# Altium PCB clock_core_PCB.PcbDoc (part 2 of 3)
Units mm, origin at the board's own origin, x right, y up, seen from the top; angles counter-clockwise.
Board outline 163.83 x 199.04 mm, 2 copper layers (Top Layer, Bottom Layer), stack 1.571 mm thick; 144 components, 217 nets, 791 pads, 447 vias.
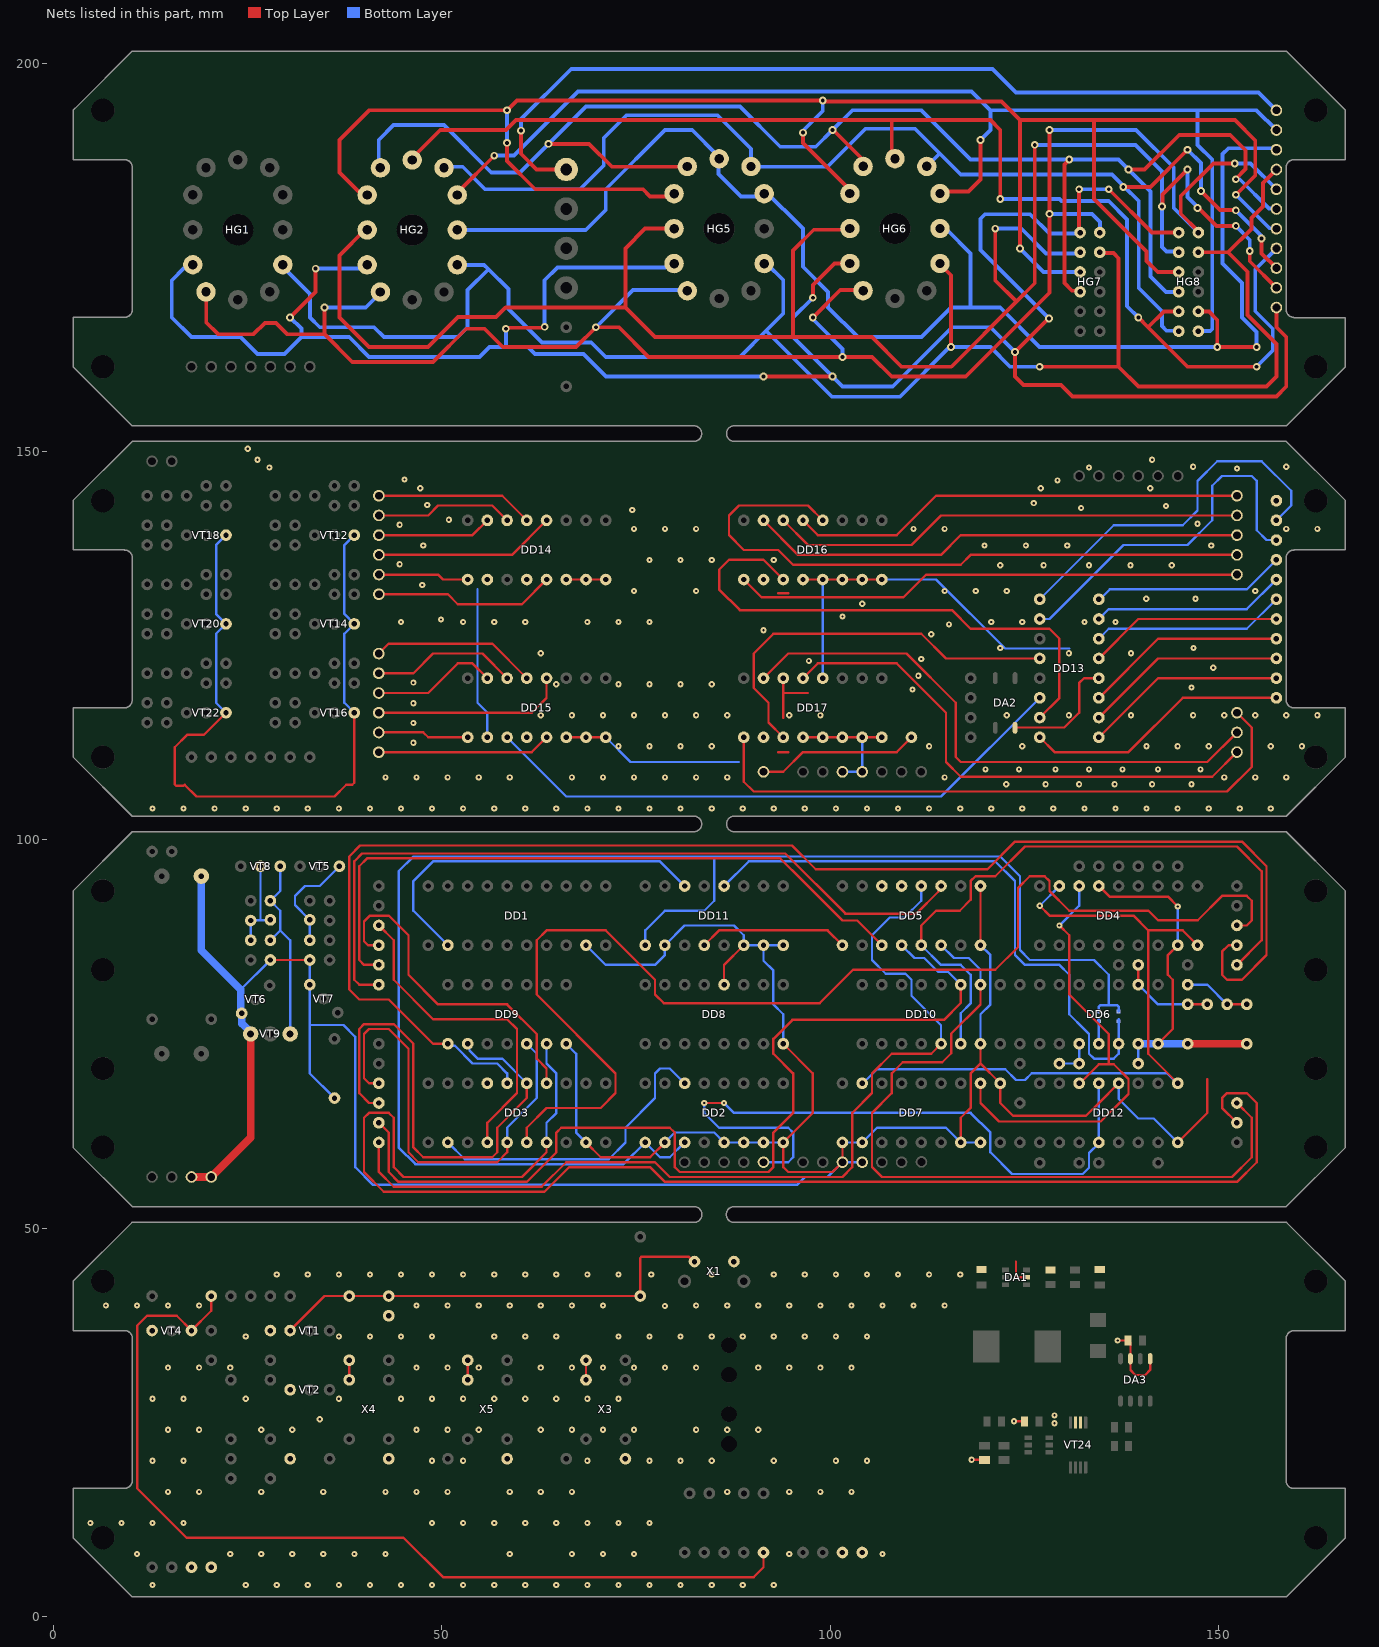
[diagram p2: the nets of this part, all layers, seen from the top]

## Via types
v1: diameter 0.8, hole 0.3, Top Layer to Bottom Layer, tented both sides, 384 vias
v2: diameter 1, hole 0.5, Top Layer to Bottom Layer, tented both sides, 63 vias

## Nets (pads, with @x,y where several pads share a name; then routed paths per layer and width w, separated by ;. In a path a pad name is that pad's centre, name@x,y a point inside that pad or via, vN(x,y) a via of type N, cw(c..) or ccw(c..) an arc to the next point about the centre after c; other vN are vias at no path point) (continued)
BIT1: DD13.6 DD15.3 | length 77
  Bottom Layer w0.3: DD15.3@58.42,113.22 66.04,105.6 114.3,105.6 DD13.6@127,118.3
BIT2: DD13.7 DD16.3 | length 70
  Top Layer w0.3: DD16.3@93.98,133.54 91.44,136.08 86.995,136.08 85.725,134.81 85.725,132.27 88.392,129.603 115.697,129.603 118.11,127.19 128.27,127.19 129.54,125.92 129.54,118.3 DD13.7@127,115.76
BIT3: DD13.4 DD17.3 | length 51.6
  Top Layer w0.3: DD17.3@93.98,113.22 92.075,115.125 92.075,117.665 90.17,119.57 90.17,124.015 92.71,126.555 111.76,126.555 114.935,123.38 DD13.4@127,123.38
CLK_SEL: DD2.1 DD2.3 DD11.1 JP1.2 JP2.2 | length 205.9
  Bottom Layer w0.3: DD11.1@76.2,86.455 76.2,88.36 78.74,90.9 83.82,90.9 85.09,92.17 85.09,97.885 ; DD2.3@81.28,61.055 79.375,59.15 78.105,59.15 DD2.1@76.2,61.055 73.406,58.261 46.609,58.261 44.45,60.42 44.45,95.98 46.355,97.885 85.09,97.885 ; JP2.2@134.62,78.105 134.62,78.564 134.796,78.74 135.89,78.74 ; JP1.2@137.16,77.93 137.16,78.564 136.984,78.74 135.89,78.74 ; 85.09,97.885 121.92,97.885 124.46,95.345 124.46,85.82 125.73,84.55 133.985,84.55 135.89,82.645 135.89,78.74
Clock_hor: DD5.1 DD11.4 | length 19.4
  Top Layer w0.3: DD11.4@83.82,86.455 85.725,88.36 99.695,88.36 DD5.1@101.6,86.455
Clock_min: DD2.14 DD3.1 | length 40
  Bottom Layer w0.3: DD3.1@50.8,61.055 52.959,58.896 71.501,58.896 73.66,61.055 73.66,62.96 77.47,66.77 77.47,69.945 78.105,70.58 79.375,70.58 DD2.14@81.28,68.675
Clock_sec: DD1.1 DD11.14 | length 47.4
  Bottom Layer w0.3: DD1.1@50.8,86.455 46.355,90.9 46.355,94.71 48.895,97.25 78.105,97.25 DD11.14@81.28,94.075
DECCNT_RES: DD4.15 DD7.15 DD12.9 R15.1 | length 90.2
  Top Layer w0.3: v1(127,91.535) 128.27,90.265 139.065,90.265 140.97,88.36 ; DD12.9@144.78,68.675 140.97,72.485 140.97,88.36 ; R15.1@147.32,86.455 145.415,88.36 140.97,88.36
  Bottom Layer w0.3: DD7.15@104.14,68.675 104.235,68.675 106.045,70.485 122.555,70.485 123.952,69.088 125.095,69.088 125.984,69.977 143.383,69.977 144.685,68.675 DD12.9@144.78,68.675 ; v1(127,91.535) DD4.15@129.54,94.075
GATE: C13.2 R27.2 VT8.1 VT9.1 | length 25
  Bottom Layer w0.3: R27.2@27.94,87.09 29.21,88.36 ; VT8.1@29.21,96.615 29.21,93.44 C13.2@27.94,92.17 29.21,90.9 29.21,88.36 ; VT9.1@30.48,75.025 30.48,87.09 29.21,88.36
GND: C8.2 C9.1 C14.2 DD1.8 DD2.2 DD2.5 DD2.6 DD2.7 DD2.8 DD3.8 DD4.8 DD4.13 DD5.8 DD5.9 DD6.6 DD6.7 DD7.1 DD7.2 DD7.7 DD7.8 DD8.8 DD8.12 DD9.7 DD10.7 DD11.2 DD11.6 DD11.7 DD11.8 DD12.8 DD12.12 pad.@17.78,56.61 pad.@20.32,56.61 pad.@101.6,58.515 pad.@104.14,58.515 R13.1 R16.1 R18.1 R24.1 R27.1 VT6.1 VT7.1 VT9.3 | length 436
  Top Layer w0.3: R27.1@27.94,84.55 R18.1@33.02,84.55 ; DD3.8@68.58,61.055 70.485,59.15 76.835,59.15 DD2.2@78.74,61.055 ; DD8.12@86.36,81.375 86.36,83.915 DD11.6@88.9,86.455 ; DD8.8@93.98,73.755 97.79,69.945 97.79,64.865 DD2.8@93.98,61.055 93.98,57.88 94.615,57.245 100.33,57.245 pad.@101.6,58.515 DD7.1@101.6,61.055 ; DD7.7@116.84,61.055 116.84,64.23 118.11,65.5 118.11,69.945 119.38,71.215 ; DD10.7@119.38,73.755 119.38,71.215 ; DD5.8@119.38,86.455 DD5.9@119.38,94.075 ; DD4.13@134.62,94.075 135.985,92.71 143.51,92.71 v1(144.78,91.44) ; DD12.12@137.16,68.675 134.62,66.135 132.969,64.484 123.571,64.484 121.92,66.135 R16.1@121.92,68.675 119.38,71.215 ; DD6.7@142.24,73.755 144.145,75.66 144.145,82.01 143.51,82.645 143.51,85.185 DD4.8@144.78,86.455 ; DD12.8@144.78,61.055 148.59,64.865 148.59,69.215
  Top Layer w1: pad.@17.78,56.61 pad.@20.32,56.61 25.4,61.69 VT9.3@25.4,75.025 ; C8.2@146.05,73.755 C9.1@153.67,73.755
  Bottom Layer w0.3: VT6.1@24.13,77.783 VT6.1@24.239,77.674 ; 24.13,80.74 R27.1@27.94,84.55 ; VT9.3@25.4,75.025 VT9.3@25.4,75.222 ; R18.1@33.02,84.55 VT7.1@33.02,81.375 33.02,76.168 ; R24.1@36.195,66.77 33.02,69.945 33.02,76.168 ; DD9.7@66.04,73.755 67.31,72.485 67.31,62.325 DD3.8@68.58,61.055 ; DD1.8@68.58,86.455 71.12,83.915 77.47,83.915 78.74,85.185 DD11.2@78.74,86.455 81.28,88.995 87.63,88.995 88.9,87.725 DD11.6@88.9,86.455 DD11.7@91.44,86.455 ; DD2.2@78.74,61.055 80.01,62.325 85.09,62.325 DD2.5@86.36,61.055 DD2.6@88.9,61.055 DD2.7@91.44,61.055 DD2.8@93.98,61.055 ; DD8.8@93.98,73.755 93.98,77.565 92.71,78.835 92.71,83.185 91.44,84.455 DD11.7@91.44,86.455 ; DD11.8@93.98,86.455 DD11.7@91.44,86.455 ; DD7.1@101.6,61.055 DD7.2@104.14,61.055 106.045,62.96 114.935,62.96 DD7.7@116.84,61.055 DD7.8@119.38,61.055 ; pad.@104.14,58.515 pad.@101.6,58.515 99.695,56.61 96.774,56.61 95.758,55.594 41.148,55.594 38.862,57.88 38.862,74.644 37.338,76.168 33.02,76.168 ; DD10.7@119.38,73.755 119.38,77.565 120.65,78.835 120.65,85.185 DD5.8@119.38,86.455 ; DD12.12@137.16,68.675 137.16,66.675 139.7,64.135 141.7,64.135 DD12.8@144.78,61.055 ; R13.1@139.7,71.215 DD6.6@139.7,73.755 ; DD4.8@144.78,86.455 v1(144.78,91.44)
  Bottom Layer w1: C14.2@19.05,95.345 19.05,85.82 24.13,80.74 VT6.1@24.13,77.783 ; VT6.1@24.239,77.674 24.239,76.383 VT9.3@25.4,75.222 ; DD6.6@139.7,73.755 DD6.7@142.24,73.755 C8.2@146.05,73.755
GND_C: C1.1 C3.2 C4.1 C17.1 DA1.2 DA3.1 DA3.3 pad.@17.78,6.35 pad.@20.32,6.35 pad.@101.6,8.255 pad.@104.14,8.255 R1.1 R5.1 R7.1 R9.1 R10.1 R11.1 R62.1 R63.1 VT2.1 VT4.1 VT24.S2 X1.1 | length 16.1
  Top Layer w0.3: v1(118.237,20.193) 119.852,20.193 C17.1@119.888,20.157 ; v1(123.698,25.146) R63.1@125.059,25.146 ; 123.952,45.72 123.952,43.942 124.206,43.688 DA1.2@125.302,43.688 ; v1(137.033,35.56) R62.1@138.394,35.56 138.684,35.27 DA3.3@138.684,33.205 138.684,31.75 139.319,31.115 140.589,31.115 141.224,31.75 DA3.1@141.224,33.205
  other v1: 12.76,4.06 24.76,4.06 28.76,4.06 32.76,4.06 36.76,4.06 40.76,4.06 44.76,4.06 48.76,4.06 52.76,4.06 56.76,4.06 60.76,4.06 64.76,4.06 68.76,4.06 72.76,4.06 76.76,4.06 80.76,4.06 84.76,4.06 88.76,4.06 92.76,4.06 10.76,8.06 22.76,8.06 26.76,8.06 30.76,8.06 34.76,8.06 38.76,8.06 42.76,8.06 58.76,8.06 66.76,8.06 70.76,8.06 74.76,8.06 94.76,8.06 106.76,8.06 4.76,12.06 8.76,12.06 12.76,12.06 16.76,12.06 48.76,12.06 52.76,12.06 56.76,12.06 60.76,12.06 64.76,12.06 68.76,12.06 72.76,12.06 76.76,12.06 14.76,16.06 18.76,16.06 26.76,16.06 34.76,16.06 42.76,16.06 46.76,16.06 50.76,16.06 58.76,16.06 62.76,16.06 66.76,16.06 86.76,16.06 94.76,16.06 98.76,16.06 102.76,16.06 12.76,20.06 16.76,20.06 48.76,20.06 52.76,20.06 68.76,20.06 76.76,20.06 80.76,20.06 84.76,20.06 92.76,20.06 100.76,20.06 104.76,20.06 14.76,24.06 18.76,24.06 26.76,24.06 30.76,24.06 46.76,24.06 50.76,24.06 54.76,24.06 62.76,24.06 66.76,24.06 70.76,24.06 74.76,24.06 82.76,24.06 86.76,24.06 90.76,24.06 128.905,24.892 34.29,25.4 128.905,25.908 12.76,28.06 16.76,28.06 24.76,28.06 36.76,28.06 44.76,28.06 48.76,28.06 52.76,28.06 56.76,28.06 60.76,28.06 64.76,28.06 68.76,28.06 72.76,28.06 14.76,32.06 18.76,32.06 22.76,32.06 46.76,32.06 50.76,32.06 54.76,32.06 62.76,32.06 66.76,32.06 70.76,32.06 74.76,32.06 78.76,32.06 82.76,32.06 90.76,32.06 94.76,32.06 98.76,32.06 102.76,32.06 24.76,36.06 36.76,36.06 40.76,36.06 44.76,36.06 48.76,36.06 56.76,36.06 60.76,36.06 64.76,36.06 72.76,36.06 76.76,36.06 80.76,36.06 84.76,36.06 88.76,36.06 92.76,36.06 96.76,36.06 100.76,36.06 104.76,36.06 78.74,40.005 6.76,40.06 10.76,40.06 14.76,40.06 18.76,40.06 46.76,40.06 50.76,40.06 54.76,40.06 58.76,40.06 62.76,40.06 66.76,40.06 70.76,40.06 82.76,40.06 86.76,40.06 90.76,40.06 94.76,40.06 98.76,40.06 102.76,40.06 106.76,40.06 110.76,40.06 114.76,40.06 28.76,44.06 32.76,44.06 36.76,44.06 40.76,44.06 44.76,44.06 48.76,44.06 52.76,44.06 56.76,44.06 60.76,44.06 64.76,44.06 68.76,44.06 72.76,44.06 76.99,44.06 84.76,44.06 92.76,44.06 96.76,44.06 100.76,44.06 104.76,44.06 108.76,44.06 112.76,44.06 116.76,44.06
GND_M: DA2.2 DD13.12 DD14.2 DD14.4 DD14.6 DD14.7 DD14.8 DD15.2 DD15.4 DD15.6 DD15.7 DD15.8 DD16.2 DD16.4 DD16.5 DD16.6 DD16.7 DD16.8 DD17.2 DD17.4 DD17.5 DD17.6 DD17.7 DD17.8 DD17.12 DD17.14 pad.@101.6,108.775 pad.@104.14,108.775 pad.@157.48,143.7 VT12.1 VT14.1 VT16.1 VT18.1 VT20.1 VT22.1 | length 239.1
  Top Layer w0.3: 16.76,106.98 15.797,106.98 15.621,107.156 15.621,111.95 17.208,113.538 19.367,113.538 VT22.1@22.225,116.395 ; 16.897,107.117 18.415,105.6 36.195,105.6 37.719,107.124 38.481,107.124 38.735,107.378 VT16.1@38.735,116.395 ; DD15.6@66.04,113.22 DD15.7@68.58,113.22 DD15.8@71.12,113.22 ; DD14.6@66.04,133.54 DD14.7@68.58,133.54 DD14.8@71.12,133.54 ; 93.345,111.315 94.615,111.315 ; 93.345,131.794 94.615,131.794 ; 93.98,115.76 93.98,118.935 ; DD17.14@93.98,120.84 93.98,118.935 ; DD17.4@96.52,113.22 DD17.5@99.06,113.22 DD17.6@101.6,113.22 DD17.7@104.14,113.22 DD17.8@106.68,113.22 ; DD16.4@96.52,133.54 DD16.5@99.06,133.54 DD16.6@101.6,133.54 DD16.7@104.14,133.54 DD16.8@106.68,133.54 ; 97.155,118.935 93.98,118.935 ; DA2.2@123.825,114.49 130.175,114.49 132.08,116.395 132.08,120.205 132.715,120.84 DD13.12@134.62,120.84
  Bottom Layer w0.3: VT22.1@22.225,116.395 20.955,117.665 20.955,126.555 VT20.1@22.225,127.825 20.955,129.095 20.955,137.985 VT18.1@22.225,139.255 ; VT16.1@38.735,116.395 37.465,117.665 37.465,126.555 VT14.1@38.735,127.825 37.465,129.095 37.465,137.985 VT12.1@38.735,139.255 ; 54.61,132.27 54.61,117.665 55.88,116.395 DD15.2@55.88,113.22 ; DD15.8@71.12,113.22 74.295,110.045 88.265,110.045 ; DD17.12@99.06,120.84 DD16.5@99.06,133.54 ; pad.@101.6,108.775 pad.@104.14,108.775 DD17.7@104.14,113.22 ; DD16.8@106.68,133.54 113.665,133.54 122.555,124.65 130.81,124.65
  other v1: 12.76,104.06 16.76,104.06 20.76,104.06 24.76,104.06 28.76,104.06 32.76,104.06 36.76,104.06 40.76,104.06 44.76,104.06 48.76,104.06 52.76,104.06 56.76,104.06 60.76,104.06 64.76,104.06 68.76,104.06 72.76,104.06 76.76,104.06 80.76,104.06 84.76,104.06 88.76,104.06 92.76,104.06 96.76,104.06 100.76,104.06 104.76,104.06 108.76,104.06 112.76,104.06 116.76,104.06 120.76,104.06 124.76,104.06 128.76,104.06 132.76,104.06 136.76,104.06 140.76,104.06 144.76,104.06 148.76,104.06 152.76,104.06 156.76,104.06 122.682,107.188 127.762,107.188 132.08,107.188 136.652,107.188 141.478,107.188 146.558,107.188 42.76,108.06 46.76,108.06 50.76,108.06 54.76,108.06 58.76,108.06 66.76,108.06 70.76,108.06 74.76,108.06 78.76,108.06 82.76,108.06 86.76,108.06 114.76,108.06 150.76,108.06 154.76,108.06 158.76,108.06 120.015,109.093 124.333,109.093 129.032,109.093 133.35,109.093 137.668,109.093 142.24,109.093 147.701,109.093 72.76,112.06 76.76,112.06 80.76,112.06 84.76,112.06 112.76,112.06 124.76,112.06 140.76,112.06 144.76,112.06 148.76,112.06 156.76,112.06 160.76,112.06 46.355,112.522 46.355,115.062 62.76,116.06 66.76,116.06 70.76,116.06 74.76,116.06 78.76,116.06 82.76,116.06 86.76,116.06 94.76,116.06 98.76,116.06 122.76,116.06 130.76,116.06 138.76,116.06 146.76,116.06 150.76,116.06 154.76,116.06 158.76,116.06 162.76,116.06 46.355,117.602 110.617,119.38 146.558,119.634 64.76,120.06 72.76,120.06 76.76,120.06 80.76,120.06 84.76,120.06 46.355,120.269 111.379,121.158 149.352,122.174 97.282,123.063 111.76,123.317 62.76,124.06 130.76,124.06 138.76,124.06 121.92,124.714 146.812,124.714 113.03,126.492 91.44,127 115.316,127.762 44.76,128.06 52.76,128.06 56.76,128.06 60.76,128.06 68.76,128.06 72.76,128.06 76.76,128.06 120.76,128.06 124.76,128.06 132.76,128.06 136.76,128.06 49.911,128.397 101.6,128.778 104.14,130.429 140.716,131.064 147.066,131.064 74.76,132.06 82.76,132.06 114.76,132.06 118.76,132.06 122.76,132.06 154.76,132.06 47.498,132.842 121.92,135.382 127.508,135.382 133.35,135.382 138.684,135.382 144.018,135.382 44.577,135.509 76.76,136.06 80.76,136.06 84.76,136.06 92.76,136.06 47.625,137.922 119.888,137.922 125.222,137.922 130.556,137.922 149.098,137.922 74.76,140.06 78.76,140.06 82.76,140.06 110.76,140.06 114.76,140.06 158.76,140.06 162.76,140.06 44.577,140.589 147.32,140.716 50.927,141.224 74.549,142.494 132.334,142.748 143.256,143.002 48.133,143.129 126.238,143.383 47.244,145.288 127.127,145.288 141.224,145.288 129.286,146.304 45.212,146.431 152.4,147.828 27.813,147.955 133.35,147.955 146.76,148.06 158.76,148.06 26.289,148.971 141.478,148.971 25.019,150.368
GND_P: HG4.2 pad.@157.48,193.96 | length 113.3
  Top Layer w0.5: v2(60.198,191.342) 60.198,188.372 62.23,186.34 HG4.2@66.04,186.34
  Bottom Layer w0.5: v2(60.198,191.342) 60.198,192.817 66.675,199.294 120.904,199.294 123.952,196.246 155.194,196.246 pad.@157.48,193.96
H1_Q1: DD5.3 pad.@41.91,83.915 | length 87.2
  Top Layer w0.3: pad.@41.91,83.915 40.005,83.915 39.37,84.55 39.37,96.615 40.386,97.631 93.599,97.631 96.52,94.71 101.6,89.63 103.505,89.63 DD5.3@106.68,86.455
H1_Q2: DD5.4 DD10.9 pad.@41.91,63.595 | length 123.3
  Top Layer w0.3: pad.@41.91,63.595 43.18,62.325 43.18,57.245 44.45,55.975 60.96,55.975 64.77,59.785 64.77,62.325 65.405,62.96 79.375,62.96 80.01,62.325 80.01,57.88 80.645,57.245 92.075,57.245 92.71,57.88 92.71,62.325 95.25,64.865 95.25,69.945 92.71,72.485 92.71,74.39 95.155,76.835 114.664,76.835 116.84,79.011 DD10.9@116.84,81.375
  Bottom Layer w0.3: DD5.4@109.22,86.455 110.871,84.804 112.141,84.804 113.919,83.026 115.189,83.026 DD10.9@116.84,81.375
H1_Q3: DD5.5 DD10.6 pad.@152.4,83.915 | length 84
  Top Layer w0.3: DD5.5@111.76,86.455 111.76,88.995 113.665,90.9 116.713,90.9 118.11,92.297 118.11,94.71 118.745,95.345 121.285,95.345 125.095,99.155 152.4,99.155 155.575,95.98 155.575,87.09 pad.@152.4,83.915
  Bottom Layer w0.3: DD5.5@111.76,86.455 114.3,83.915 116.84,83.915 118.11,82.645 118.11,78.962 116.84,77.692 DD10.6@116.84,73.755
H1_Q4: DD5.6 DD10.8 pad.@152.4,66.135 | length 98.8
  Top Layer w0.3: DD10.8@119.38,81.375 119.38,78.835 115.625,75.08 115.625,72.54 114.459,71.374 109.379,71.374 107.95,69.945 107.95,67.405 105.41,64.865 105.41,57.88 106.68,56.61 112.395,56.61 151.765,56.61 154.305,59.15 154.305,64.23 pad.@152.4,66.135
  Bottom Layer w0.3: DD5.6@114.3,86.455 115.951,84.804 117.856,84.804 119.38,83.28 DD10.8@119.38,81.375
H10_Q1: DD5.11 pad.@41.91,81.375 | length 99.6
  Top Layer w0.3: pad.@41.91,81.375 39.37,81.375 38.735,82.01 38.735,97.25 39.751,98.266 94.234,98.266 101.981,90.519 111.125,90.519 113.942,93.336 113.942,93.392 114.3,93.75 DD5.11@114.3,94.075
H10_Q2: DD5.12 DD10.5 pad.@41.91,61.055 | length 120.7
  Top Layer w0.3: pad.@41.91,60.722 41.91,57.245 43.815,55.34 62.865,55.34 66.04,58.515 77.47,58.515 79.375,56.61 101.6,56.61 102.87,57.88 102.87,64.865 105.41,67.405 105.41,69.945 107.95,72.485 113.03,72.485 DD10.5@114.3,73.755
  Bottom Layer w0.3: DD5.12@111.76,94.075 111.76,92.17 109.601,90.011 107.696,90.011 105.41,87.725 105.41,84.55 107.188,82.772 109.728,82.772 110.49,82.01 110.49,79.953 114.3,76.143 DD10.5@114.3,73.755
H10_Q3: DD5.13
H10_Q4: DD5.14
Hz_1: DD6.5 DD11.12 JP1.1 | length 77.4
  Bottom Layer w0.3: DD11.12@86.36,94.075 89.535,97.25 121.285,97.25 123.825,94.71 123.825,85.185 125.095,83.915 129.54,83.915 130.81,82.645 130.81,77.565 132.715,75.66 133.35,75.025 133.35,72.485 133.985,71.85 136.525,71.85 137.16,72.485 DD6.5@137.16,73.755 137.16,76.93
Hz_2: DD6.4 JP2.1 | length 3.2
  Bottom Layer w0.3: DD6.4@134.62,73.755 134.62,76.93
K0: HG1.2 HG2.2 HG5.2 HG6.2 HG7.2 HG8.2 pad.@157.48,186.34 | length 234.7
  Top Layer w0.5: HG6.2@114.163,174.237 114.163,174.127 115.57,172.72 v2(115.57,163.48) ; v2(127,160.94) 137.16,160.94 ; HG7.2@134.74,175.68 134.84,175.58 136.49,175.58 137.16,174.91 137.16,160.94 ; HG8.2@147.44,175.68 151.265,175.68 154.26,178.675 154.26,180.08 155.76,181.58 155.76,184.62 pad.@157.48,186.34 ; 151.249,175.68 153.76,173.169 153.76,167.58 157.48,163.86 157.48,159.67 156.21,158.4 139.7,158.4 137.16,160.94
  Bottom Layer w0.5: HG1.2@29.76,173.58 33.02,170.32 33.02,167.29 34.29,166.02 41.275,166.02 42.545,164.75 52.07,164.75 53.34,166.02 53.34,170.815 56.022,173.497 ; HG2.2@52.005,174.06 55.46,174.06 56.022,173.497 ; HG5.2@91.525,174.22 91.845,174.22 93.98,172.085 93.98,167.8 91.76,165.58 ; v2(127,160.94) 123.19,160.94 120.65,163.48 v2(115.57,163.48) 115.389,163.48 108.989,157.08 100.26,157.08 91.76,165.58 ; 56.022,173.497 58.592,170.928 58.592,168.388 62.9,164.08 69.25,164.08 71.12,162.21 88.39,162.21 91.76,165.58
K0_M: DD13.16 pad.@157.48,136.08 | length 25
  Bottom Layer w0.3: DD13.16@134.62,131 134.761,131 136.031,132.27 153.67,132.27 pad.@157.48,136.08
K1: HG1.11 HG2.11 HG5.11 HG6.11 HG7.3 HG8.3 pad.@157.48,183.8 | length 242.9
  Top Layer w0.5: HG1.11@19.685,170.54 19.685,166.655 21.209,165.131 25.781,165.131 27.23,166.58 28.65,166.58 30.099,165.131 34.925,165.131 ; v2(34.925,168.56) 34.925,165.131 ; v2(97.79,167.29) 101.315,170.815 HG6.11@104.463,170.815 ; v2(128.27,191.42) v2(128.27,180.625) 128.27,170.465 117.475,159.67 107.95,159.67 105.41,162.21 v2(101.6,162.21) 76.63,162.21 72.82,166.02 v2(69.85,166.02) 67.31,163.48 57.86,163.48 55.506,165.834 53.154,165.834 48.895,161.575 38.481,161.575 34.925,165.131 ; HG8.3@147.44,178.22 147.44,178.362 145.161,180.641 145.161,182.911 149.375,187.125 v2(152.117,187.125)
  Bottom Layer w0.5: v2(34.925,168.56) 40.22,168.56 41.22,169.56 ; v2(69.85,166.02) 74.645,170.815 HG5.11@81.195,170.815 ; v2(97.79,167.29) 97.79,167.05 101.6,163.24 v2(101.6,162.21) ; v2(128.27,180.625) 133.715,180.625 134.76,179.58 134.76,178.24 HG7.3@134.74,178.22 ; v2(128.27,191.42) 139.42,191.42 144.26,186.58 144.26,181.4 HG8.3@147.44,178.22 ; v2(152.117,187.125) 154.155,187.125 pad.@157.48,183.8
K1_M: DD13.15 pad.@157.48,133.54 | length 25
  Bottom Layer w0.3: DD13.15@134.62,128.46 135.89,129.73 153.67,129.73 pad.@157.48,133.54
K2: HG1.10 HG2.10 HG5.10 HG6.10 HG7.4 HG8.4 pad.@157.48,168.56 | length 301.5
  Top Layer w0.5: v2(30.48,167.29) 33.77,170.58 v2(33.77,173.57) ; v2(58.26,165.834) 58.383,165.957 63.137,165.957 v2(63.26,166.08) ; v2(91.44,159.67) v2(100.33,159.67) ; v2(97.79,169.83) 97.79,171.45 100.577,174.237 HG6.10@102.913,174.237 ; v2(128.184,167.156) 128.136,167.156 v2(123.825,162.845) 123.825,159.67 124.915,158.58 129.76,158.58 131.21,157.13 157.48,157.13 158.75,158.4 158.75,164.75 157.48,166.02 pad.@157.48,168.56 ; v2(132.08,183.8) 132.08,178.34 HG7.4@132.2,178.22 ; v2(135.89,183.8) 141.47,178.22 HG8.4@144.9,178.22
  Bottom Layer w0.5: 16.76,173.58 16.76,173.567 15.24,172.047 15.24,167.29 17.78,164.75 24.09,164.75 26.26,162.58 29.76,162.58 31.93,164.75 ; v2(30.48,167.29) 31.93,165.84 31.93,164.75 ; v2(33.77,173.57) 39.21,173.57 39.22,173.56 ; v2(58.26,165.834) 58.26,163.48 ; v2(63.26,166.08) 63.26,172.08 64.9,173.72 78.74,173.72 ; v2(91.44,159.67) 71.17,159.67 68.26,162.58 62.014,162.58 61.114,163.48 58.26,163.48 ; v2(97.79,169.83) 95.25,167.29 95.25,164.75 v2(100.33,159.67) 101.6,158.4 108.08,158.4 115.7,166.02 120.65,166.02 v2(123.825,162.845) ; v2(128.184,167.156) 119.38,175.96 119.38,179.99 119.97,180.58 125.76,180.58 128.26,178.08 129.918,178.08 129.958,178.12 132.1,178.12 HG7.4@132.2,178.22 ; v2(132.08,183.8) v2(135.89,183.8) ; 31.93,164.75 38.1,164.75 40.64,162.21 54.89,162.21 56.16,163.48 58.26,163.48
K2_M: DD13.8 pad.@157.48,118.3 | length 34.2
  Top Layer w0.3: DD13.8@127,113.22 128.905,111.315 138.43,111.315 145.415,118.3 pad.@157.48,118.3
K3: HG2.9 HG5.9 HG6.9 HG7.5 HG8.5 pad.@157.48,171.1 | length 243.7
  Top Layer w0.5: HG2.9@40.079,178.509 36.83,175.26 36.83,167.29 40.64,163.48 48.26,163.48 52.11,167.33 57.01,167.33 58.24,168.56 73.66,168.56 ; HG5.9@78.74,178.72 76.2,178.72 73.66,176.18 73.66,168.56 ; 101.26,178.58 97.904,178.58 95.25,175.926 95.25,164.75 ; v2(121.285,178.72) 121.285,172.055 124.01,169.33 ; v2(126.365,189.515) 126.365,171.685 124.01,169.33 ; v2(142.76,181.58) 142.812,181.632 142.812,183.102 v2(146.05,186.34) ; v2(147.32,181.39) 147.45,181.39 149.76,179.08 v2(152.26,179.08) ; v2(154.051,175.839) 154.051,174.529 pad.@157.48,171.1 ; 73.66,168.56 77.47,164.75 95.25,164.75 ; 95.25,164.75 105.41,164.75 109.22,160.94 115.62,160.94 124.01,169.33
  Bottom Layer w0.5: v2(121.285,178.72) 124.62,178.72 127.795,175.545 132.065,175.545 HG7.5@132.2,175.68 ; v2(126.365,189.515) 139.325,189.515 142.76,186.08 v2(142.76,181.58) 142.76,176.366 143.346,175.78 144.8,175.78 HG8.5@144.9,175.68 ; v2(146.05,186.34) 146.05,182.79 147.32,181.52 v2(147.32,181.39) ; v2(152.26,179.08) 152.26,179.061 154.051,177.27 v2(154.051,175.839)
K3_M: DD13.9 pad.@157.48,120.84 | length 26
  Top Layer w0.3: DD13.9@134.62,113.22 142.24,120.84 pad.@157.48,120.84
K4: HG2.8 HG5.8 HG6.8 HG7.6 HG8.6 pad.@157.48,178.72 | length 241.1
  Top Layer w0.5: 39.22,183.56 36.83,185.95 36.83,190.15 40.64,193.96 v2(58.42,193.96) 59.69,195.23 v2(99.06,195.23) ; v2(58.42,189.769) 58.42,187.42 62.04,183.8 75.915,183.8 76.835,182.88 79.585,182.88 HG5.8@79.925,183.22 ; v2(96.51,191.08) 96.51,189.77 HG6.8@102.72,183.56 ; v2@99.26,195.08 122.07,195.08 124.46,192.69 ; v2(124.46,176.18) 124.46,192.69 ; HG8.6@144.9,173.14 142.2,173.14 140.76,174.58 140.76,175.755 133.985,182.53 133.985,192.69 ; v2(152.258,183.082) 152.262,183.082 154.76,185.58 154.76,190.08 152.15,192.69 133.985,192.69 ; 124.46,192.69 133.985,192.69
  Bottom Layer w0.5: v2(58.42,189.769) v2(58.42,193.96) ; v2(96.51,191.08) 96.51,191.33 99.06,193.88 v2(99.06,195.23) ; v2(124.46,176.18) 127.5,173.14 HG7.6@132.2,173.14 ; v2(152.258,183.082) 156.568,178.772 157.428,178.772 pad.@157.48,178.72
K4_M: DD13.13 pad.@157.48,128.46 | length 25
  Top Layer w0.3: DD13.13@134.62,123.38 139.7,128.46 pad.@157.48,128.46
K5: HG2.7 HG5.7 HG6.7 HG7.7 HG8.7 pad.@157.48,181.26 | length 206.6
  Top Layer w0.5: v2(63.754,189.642) 68.987,189.642 71.939,186.69 HG5.7@81.922,186.69 ; v2(100.33,191.42) 100.42,191.42 104.28,187.56 HG6.7@104.72,187.56 ; v2(130.81,187.61) 130.81,187.602 130.175,186.967 130.175,171.735 131.186,170.724 132.076,170.724 HG7.7@132.2,170.6 ; v2(138.43,186.34) 140.52,186.34 144.965,190.785 151.536,190.785 153.506,188.815 153.506,186.399 152.26,185.153 v2(152.26,185.08) ; HG8.7@144.88,170.58 HG8.7@144.9,170.6
  Bottom Layer w0.5: HG2.7@41.89,186.452 41.89,190.13 43.815,192.055 50.285,192.055 56.381,185.959 60.071,185.959 v2(63.754,189.642) 68.58,194.468 88.392,194.468 93.599,189.261 98.171,189.261 v2(100.33,191.42) 102.87,193.96 111.76,193.96 118.11,187.61 v2(130.81,187.61) 137.16,187.61 v2(138.43,186.34) 141.26,183.51 141.26,172.58 143.26,170.58 144.88,170.58 HG8.7@144.9,170.6 ; v2(152.26,185.08) 152.76,185.08 156.528,181.312 157.428,181.312 pad.@157.48,181.26
K5_M: DD13.14 pad.@157.48,131 | length 25
  Bottom Layer w0.3: DD13.14@134.62,125.92 135.89,127.19 153.67,127.19 pad.@157.48,131
K6: HG2.6 HG6.6 HG8.8 pad.@157.48,176.18 | length 162.8
  Top Layer w0.5: HG2.6@46.205,187.81 49.815,191.42 58.293,191.42 59.563,192.69 107.95,192.69 ; HG6.6@107.76,188.58 107.95,188.77 107.95,192.69 ; v2(121.92,182.53) 121.92,191.42 120.65,192.69 107.95,192.69 ; v2(139.7,167.29) 140.97,166.02 ; HG8.8@144.9,168.06 143.01,168.06 140.97,166.02 ; v2(154.94,160.94) 146.05,160.94 140.97,166.02
  Bottom Layer w0.5: v2(121.92,182.53) 129.54,182.53 129.794,182.276 135.89,182.276 138.26,179.906 138.26,168.73 v2(139.7,167.29) ; v2(154.94,160.94) 157.014,163.014 157.014,165.826 154.76,168.08 154.76,173.46 pad.@157.48,176.18
K6_M: DD13.11 pad.@157.48,125.92 | length 26
  Top Layer w0.3: DD13.11@134.62,118.3 142.24,125.92 pad.@157.48,125.92
K7: HG2.5 HG5.5 HG6.5 HG8.9 pad.@157.48,173.64 | length 159.9
  Top Layer w0.5: v2(137.76,184.08) 141.25,184.08 v2(146.05,188.88) ; 148.135,183.205 150.208,181.132 152.208,181.132 v2(152.26,181.08) ; v2(155.575,177.45) 155.575,175.545 pad.@157.48,173.64
  Bottom Layer w0.3: HG6.5@112.463,186.737 HG6.5@112.463,186.758
  Bottom Layer w0.5: HG2.5@50.305,186.56 50.435,186.69 52.705,186.69 55.595,183.8 67.818,183.8 70.866,186.848 70.866,190.404 73.787,193.325 85.515,193.325 89.825,189.015 HG5.5@89.825,186.72 89.855,186.69 99.695,186.69 104.585,191.58 110.965,191.58 114.125,188.42 ; HG6.5@112.23,187.61 HG6.5@112.463,187.61 ; HG6.5@112.463,186.758 114.125,188.42 ; v2@137.745,184.168 137.745,184.283 136.323,185.705 116.84,185.705 114.125,188.42 ; v2@137.854,184.174 139.76,182.268 139.76,171.08 142.76,168.08 142.76,166.166 143.346,165.58 144.84,165.58 HG8.9@144.9,165.52 ; v2(146.05,188.88) 147.76,187.17 v2(147.76,183.58) ; v2(152.26,181.08) 155.575,177.765 v2(155.575,177.45)
K7_M: DD13.10 pad.@157.48,123.38 | length 26
  Top Layer w0.3: DD13.10@134.62,115.76 142.24,123.38 pad.@157.48,123.38
K8: HG2.4 HG6.4 HG8.10 pad.@157.48,191.42 | length 158.9
  Top Layer w0.5: HG2.4@52.22,183.56 56.769,188.109 v2(56.769,188.118) ; HG6.4@114.163,183.237 114.441,183.515 117.825,183.515 119.38,185.07 v2(119.38,190.15)
  Bottom Layer w0.5: v2(56.769,188.118) 59.309,188.118 67.564,196.373 118.237,196.373 120.65,193.96 ; v2(119.38,190.15) 120.65,191.42 120.65,193.96 ; HG8.10@147.44,165.52 148.932,165.52 149.225,165.813 149.225,187.61 147.32,189.515 147.32,193.96 ; pad.@157.48,191.42 154.94,193.96 147.32,193.96 ; 120.65,193.96 147.32,193.96
K8_M: DD13.1 pad.@157.48,141.16 | length 48.2
  Bottom Layer w0.3: DD13.1@127,131 136.525,140.525 145.415,140.525 147.32,142.43 147.32,146.24 149.86,148.78 155.575,148.78 159.385,144.97 159.385,143.065 pad.@157.48,141.16
K9: HG2.3 HG5.4 HG5.6 HG6.3 HG8.11 pad.@157.48,188.88 | length 182.8
  Top Layer w0.5: HG8.11@147.44,168.06 148.78,168.06 149.86,166.98 v2(149.86,163.48) v2(154.94,163.48)
  Bottom Layer w0.5: HG2.3@52.22,178.56 68.547,178.56 71.12,181.133 71.12,183.8 78.74,191.42 82.265,191.42 85.458,188.227 85.577,188.227 85.655,188.305 85.655,185.775 88.55,182.88 91.185,182.88 HG5.4@91.525,183.22 ; HG5.4@91.525,183.72 96.52,178.725 96.52,173.82 99.76,170.58 99.76,168.58 103.59,164.75 111.76,164.75 115.57,168.56 118.11,168.56 ; HG6.3@114.26,178.58 115.072,178.58 118.11,175.542 118.11,168.56 ; v2(149.86,163.48) 127,163.48 121.92,168.56 118.11,168.56 ; v2(154.94,163.48) 154.94,165.4 153.035,167.305 153.035,171.735 150.56,174.21 150.56,188.31 151.32,189.07 157.217,189.07 157.407,188.88 pad.@157.48,188.88
K9_M: DD13.2 pad.@157.48,138.62 | length 47.9
  Bottom Layer w0.3: DD13.2@127,128.46 128.27,128.46 137.795,137.985 146.05,137.985 149.225,141.16 149.225,145.605 150.495,146.875 154.305,146.875 154.94,146.24 154.94,139.89 156.21,138.62 pad.@157.48,138.62
M1_Q1: DD3.3 pad.@41.91,88.995 | length 42.5
  Top Layer w0.3: pad.@41.91,88.995 43.815,87.09 43.815,82.01 48.895,76.93 58.42,76.93 59.69,75.66 59.69,67.405 55.88,63.595 DD3.3@55.88,61.055
M1_Q2: DD3.4 DD9.5 pad.@41.91,68.675 | length 58.1
  Top Layer w0.3: pad.@41.91,68.675 40.64,68.675 40.005,69.31 40.005,75.025 40.64,75.66 43.18,75.66 45.72,73.12 45.72,59.785 46.99,58.515 57.15,58.515 58.42,59.785 DD3.4@58.42,61.055
  Bottom Layer w0.3: DD3.4@58.42,61.055 58.42,62.96 62.23,66.77 62.23,72.485 DD9.5@60.96,73.755
M1_Q3: DD3.5 pad.@152.4,88.995 | length 157.3
  Top Layer w0.3: DD3.5@60.96,61.055 60.96,62.96 63.5,65.5 70.485,65.5 72.39,67.405 72.39,69.945 62.23,80.105 62.23,87.09 63.5,88.36 71.12,88.36 77.47,82.01 77.47,80.105 78.581,78.994 98.679,78.994 102.965,83.28 121.285,83.28 124.206,86.201 124.206,93.821 125.73,95.345 127.635,95.345 128.27,94.71 128.27,93.44 130.81,90.9 141.002,90.9 142.24,89.662 147.352,89.662 150.495,92.805 153.67,92.805 154.305,92.17 154.305,89.63 153.67,88.995 pad.@152.4,88.995
M1_Q4: DD3.6 DD9.6 pad.@152.4,63.595 | length 190.2
  Top Layer w0.3: DD3.6@63.5,61.055 63.5,59.785 60.325,56.61 45.085,56.61 43.815,57.88 43.815,64.23 43.18,64.865 40.64,64.865 40.005,64.23 40.005,57.245 42.545,54.705 63.246,54.705 66.421,57.88 76.835,57.88 78.74,55.975 152.4,55.975 154.94,58.515 154.94,66.135 153.67,67.405 151.13,67.405 150.495,66.77 150.495,65.5 pad.@152.4,63.595
  Bottom Layer w0.3: DD3.6@63.5,61.055 63.5,63.595 64.77,64.865 64.77,69.945 63.5,71.215 DD9.6@63.5,73.755
M10_Q1: DD3.11 pad.@41.91,86.455 | length 43.7
  Top Layer w0.3: pad.@42.28,86.455 40.517,86.455 40.005,86.967 40.005,89.507 40.763,90.265 43.18,90.265 45.72,87.725 45.72,82.645 49.53,78.835 58.42,78.835 62.23,75.025 62.23,71.85 63.5,70.58 DD3.11@63.5,68.675
M10_Q2: DD3.12 DD9.2 pad.@41.91,66.135 | length 65.1
  Top Layer w0.3: pad.@41.91,66.135 40.64,66.135 39.37,67.405 39.37,75.66 40.005,76.295 43.815,76.295 46.355,73.755 46.355,60.42 47.625,59.15 56.515,59.15 57.15,59.785 57.15,62.96 60.96,66.77 DD3.12@60.96,68.675
  Bottom Layer w0.3: DD9.2@53.34,73.755 53.574,73.521 53.574,72.886 54.61,71.85 57.785,71.85 DD3.12@60.96,68.675
M10_Q3: DD3.13 DD9.1 pad.@152.4,86.455 | length 189.9
  Top Layer w0.3: DD9.1@50.8,73.755 48.895,73.755 43.18,79.47 39.37,79.47 38.1,80.74 38.1,97.885 39.497,99.282 95.123,99.282 98.171,96.234 120.269,96.234 123.825,99.79 153.035,99.79 156.21,96.615 156.21,85.185 153.035,82.01 151.13,82.01 150.495,82.645 150.495,85.644 151.306,86.455 pad.@152.4,86.455
  Bottom Layer w0.3: DD9.1@50.8,73.755 51.034,73.521 51.669,73.521 53.975,71.215 57.15,71.215 58.42,69.945 DD3.13@58.42,68.675
M10_Q4: DD3.14
MUX1_D1: DD14.13 pad.@41.91,144.335 | length 20.4
  Top Layer w0.3: pad.@41.91,144.335 57.785,144.335 DD14.13@60.96,141.16
MUX1_D2: DD14.14 pad.@41.91,141.795 | length 17.8
  Top Layer w0.3: pad.@41.91,141.795 48.26,141.795 49.53,143.065 56.515,143.065 DD14.14@58.42,141.16
MUX1_D3: DD14.15 pad.@41.91,139.255 | length 14.8
  Top Layer w0.3: pad.@41.91,139.255 53.975,139.255 DD14.15@55.88,141.16
MUX1_D4: DD14.12 pad.@41.91,136.715 | length 23.4
  Top Layer w0.3: pad.@41.91,136.715 59.055,136.715 DD14.12@63.5,141.16
MUX1_D5: DD14.1 pad.@41.91,134.175 | length 11.7
  Top Layer w0.3: pad.@41.91,134.175 49.53,134.175 50.165,133.54 DD14.1@53.34,133.54
MUX1_D6: DD14.5 pad.@41.91,131.635 | length 23.4
  Top Layer w0.3: pad.@41.91,131.635 50.8,131.635 52.07,130.365 60.325,130.365 DD14.5@63.5,133.54
MUX2_D1: DD15.13 pad.@41.899,124.004 | length 21.4
  Top Layer w0.3: pad.@41.899,124.004 43.18,125.285 56.515,125.285 DD15.13@60.96,120.84
MUX2_D2: DD15.14 pad.@41.899,121.464 | length 18.9
  Top Layer w0.3: pad.@41.91,121.475 46.355,121.475 48.895,124.015 55.245,124.015 DD15.14@58.42,120.84
MUX2_D3: DD15.15 pad.@41.899,118.924 | length 16.3
  Top Layer w0.3: pad.@41.91,118.935 48.26,118.935 52.07,122.745 53.975,122.745 DD15.15@55.88,120.84
MUX2_D4: DD15.12 pad.@41.899,116.384 | length 24.9
  Top Layer w0.3: pad.@41.91,116.395 61.595,116.395 63.5,118.3 DD15.12@63.5,120.84
MUX2_D5: DD15.1 pad.@41.899,113.844 | length 11.7
  Top Layer w0.3: pad.@41.91,113.855 47.625,113.855 48.26,113.22 DD15.1@53.34,113.22
MUX2_D6: DD15.5 pad.@41.899,111.304 | length 22.4
  Top Layer w0.3: pad.@41.91,111.315 61.595,111.315 DD15.5@63.5,113.22
MUX3_D1: DD16.13 pad.@152.4,144.335 | length 58.8
  Top Layer w0.3: DD16.13@96.52,141.16 98.425,139.255 108.585,139.255 113.665,144.335 pad.@152.4,144.335
MUX3_D2: DD16.14 pad.@152.4,141.795 | length 61.3
  Top Layer w0.3: DD16.14@93.98,141.16 97.155,137.985 110.49,137.985 114.3,141.795 pad.@152.4,141.795
MUX3_D3: DD16.15 pad.@152.4,139.255 | length 63.9
  Top Layer w0.3: DD16.15@91.44,141.16 95.885,136.715 114.3,136.715 116.84,139.255 pad.@152.4,139.255
MUX3_D4: DD16.12 pad.@152.4,136.715 | length 83.4
  Top Layer w0.3: DD16.12@99.06,141.16 97.155,143.065 88.265,143.065 86.995,141.795 86.995,139.255 88.9,137.35 93.345,137.35 95.25,135.445 116.84,135.445 118.11,136.715 pad.@152.4,136.715
MUX3_D5: DD16.1 pad.@152.4,134.175 | length 65.7
  Top Layer w0.3: DD16.1@88.9,133.54 91.186,131.254 109.474,131.254 112.395,134.175 pad.@152.4,134.175
MUX4_D1: DD17.13 pad.@152.4,111.315 | length 67.8
  Top Layer w0.3: DD17.13@96.52,120.84 98.425,122.745 108.585,122.745 114.935,116.395 114.935,110.045 116.84,108.14 149.225,108.14 pad.@152.4,111.315
MUX4_D3: DD17.15 pad.@152.4,113.855 | length 73.7
  Top Layer w0.3: DD17.15@91.44,120.84 94.615,124.015 109.855,124.015 116.205,117.665 116.205,110.68 116.84,110.045 148.59,110.045 pad.@152.4,113.855
MUX4_D5: DD17.1 pad.@152.4,116.395 | length 80.7
  Top Layer w0.3: DD17.1@88.9,113.22 88.9,107.505 90.17,106.235 151.13,106.235 154.305,109.41 154.305,114.49 pad.@152.4,116.395
MUX_CLK: DD4.14 DD7.9 DD12.14 | length 60.7
  Top Layer w0.3: DD7.9@119.38,68.675 119.38,66.135 121.761,63.754 134.874,63.754 138.43,67.31 138.43,69.215 136.525,71.12 135.89,71.12 ; v1(129.54,88.995) 130.81,87.725 130.81,80.105 135.89,75.025 135.89,71.12 ; DD12.14@132.08,68.675 132.175,68.675 134.62,71.12 135.89,71.12
  Bottom Layer w0.3: v1(129.54,88.995) 132.08,91.535 DD4.14@132.08,94.075
MUX_EN: pad.@91.44,8.255 R8.1 VT4.3 | length 122.6
  Top Layer w0.3: R8.1@20.32,41.275 20.32,39.37 VT4.3@17.78,36.83 15.875,38.735 12.065,38.735 10.795,37.465 10.795,16.51 17.145,10.16 45.085,10.16 50.165,5.08 90.17,5.08 91.44,6.35 pad.@91.44,8.255
MUX_IN_EN: DD12.4 DD12.13 pad.@91.44,58.515 | length 87.6
  Top Layer w0.3: v1(83.82,66.135) v1(86.36,66.135)
  Bottom Layer w0.3: v1(83.82,66.135) 83.82,64.865 85.725,62.96 94.615,62.96 95.25,62.325 95.25,59.15 94.615,58.515 pad.@91.44,58.515 ; v1(86.36,66.135) 87.63,64.865 118.11,64.865 120.65,62.325 120.65,59.785 123.444,56.991 132.556,56.991 133.35,57.785 133.35,59.69 134.62,60.96 DD12.4@134.62,61.055 DD12.13@134.62,68.675
MUX_IN_EN_M: pad.@91.44,108.775 R34.1 | length 20.9
  Top Layer w0.3: pad.@91.44,108.775 93.98,108.775 96.52,111.315 108.585,111.315 R34.1@110.49,113.22
NetC3_1: C3.1 R3.1 R4.1 VT1.3 X1.2 | length 59.2
  Top Layer w0.3: VT1.3@30.48,36.83 34.925,41.275 R4.1@38.1,41.275 C3.1@43.18,41.275 R3.1@75.565,41.275 75.565,46.179 75.741,46.355 81.774,46.355 82.409,45.72 X1.2@82.55,45.72
NetC5_1: C5.1 X3.3 | length 2.5
  Top Layer w0.3: X3.3@68.58,30.48 C5.1@68.58,33.02
NetC6_1: C6.1 X4.3 | length 2.5
  Top Layer w0.3: X4.3@38.1,30.48 C6.1@38.1,33.02
NetC7_1: C7.1 X5.3 | length 2.5
  Top Layer w0.3: X5.3@53.34,30.48 C7.1@53.34,33.02
NetC8_1: C8.1 DD6.9 R14.2 ZQ1.2 | length 13.1
  Top Layer w0.3: DD6.9@139.7,81.375 R14.2@139.7,83.915 ; C8.1@146.05,78.835 ZQ1.2@148.59,78.835
  Bottom Layer w0.3: DD6.9@139.7,81.375 142.24,78.835 C8.1@146.667,78.835
NetC9_2: C9.2 R12.1 ZQ1.1 | length 8.7
  Top Layer w0.3: ZQ1.1@151.13,78.835 C9.2@153.67,78.835
  Bottom Layer w0.3: R12.1@146.05,81.375 148.59,81.375 ZQ1.1@151.13,78.835
NetC10_1: C10.1 DD6.3 R13.2 | length 5.1
  Bottom Layer w0.3: C10.1@129.54,71.215 R13.2@132.08,71.215 DD6.3@132.08,73.755
NetC12_1: C12.1 R18.2 VT5.1 | length 13.8
  Bottom Layer w0.3: R18.2@33.02,87.09 C12.1@33.02,89.715 31.115,91.62 31.115,92.805 32.385,94.075 34.29,94.075 VT5.1@36.83,96.615
NetC12_2: C12.2 R23.2 R25.1 VT8.2 | length 12.1
  Bottom Layer w0.3: R23.2@25.4,87.09 R25.1@25.4,89.63 25.443,89.673 26.67,89.673 ; VT8.2@26.67,96.615 26.67,89.673 ; C12.2@27.94,89.715 27.897,89.673 26.67,89.673